# KiCad board WS2812B LED Ring7.kicad_pcb (continued)
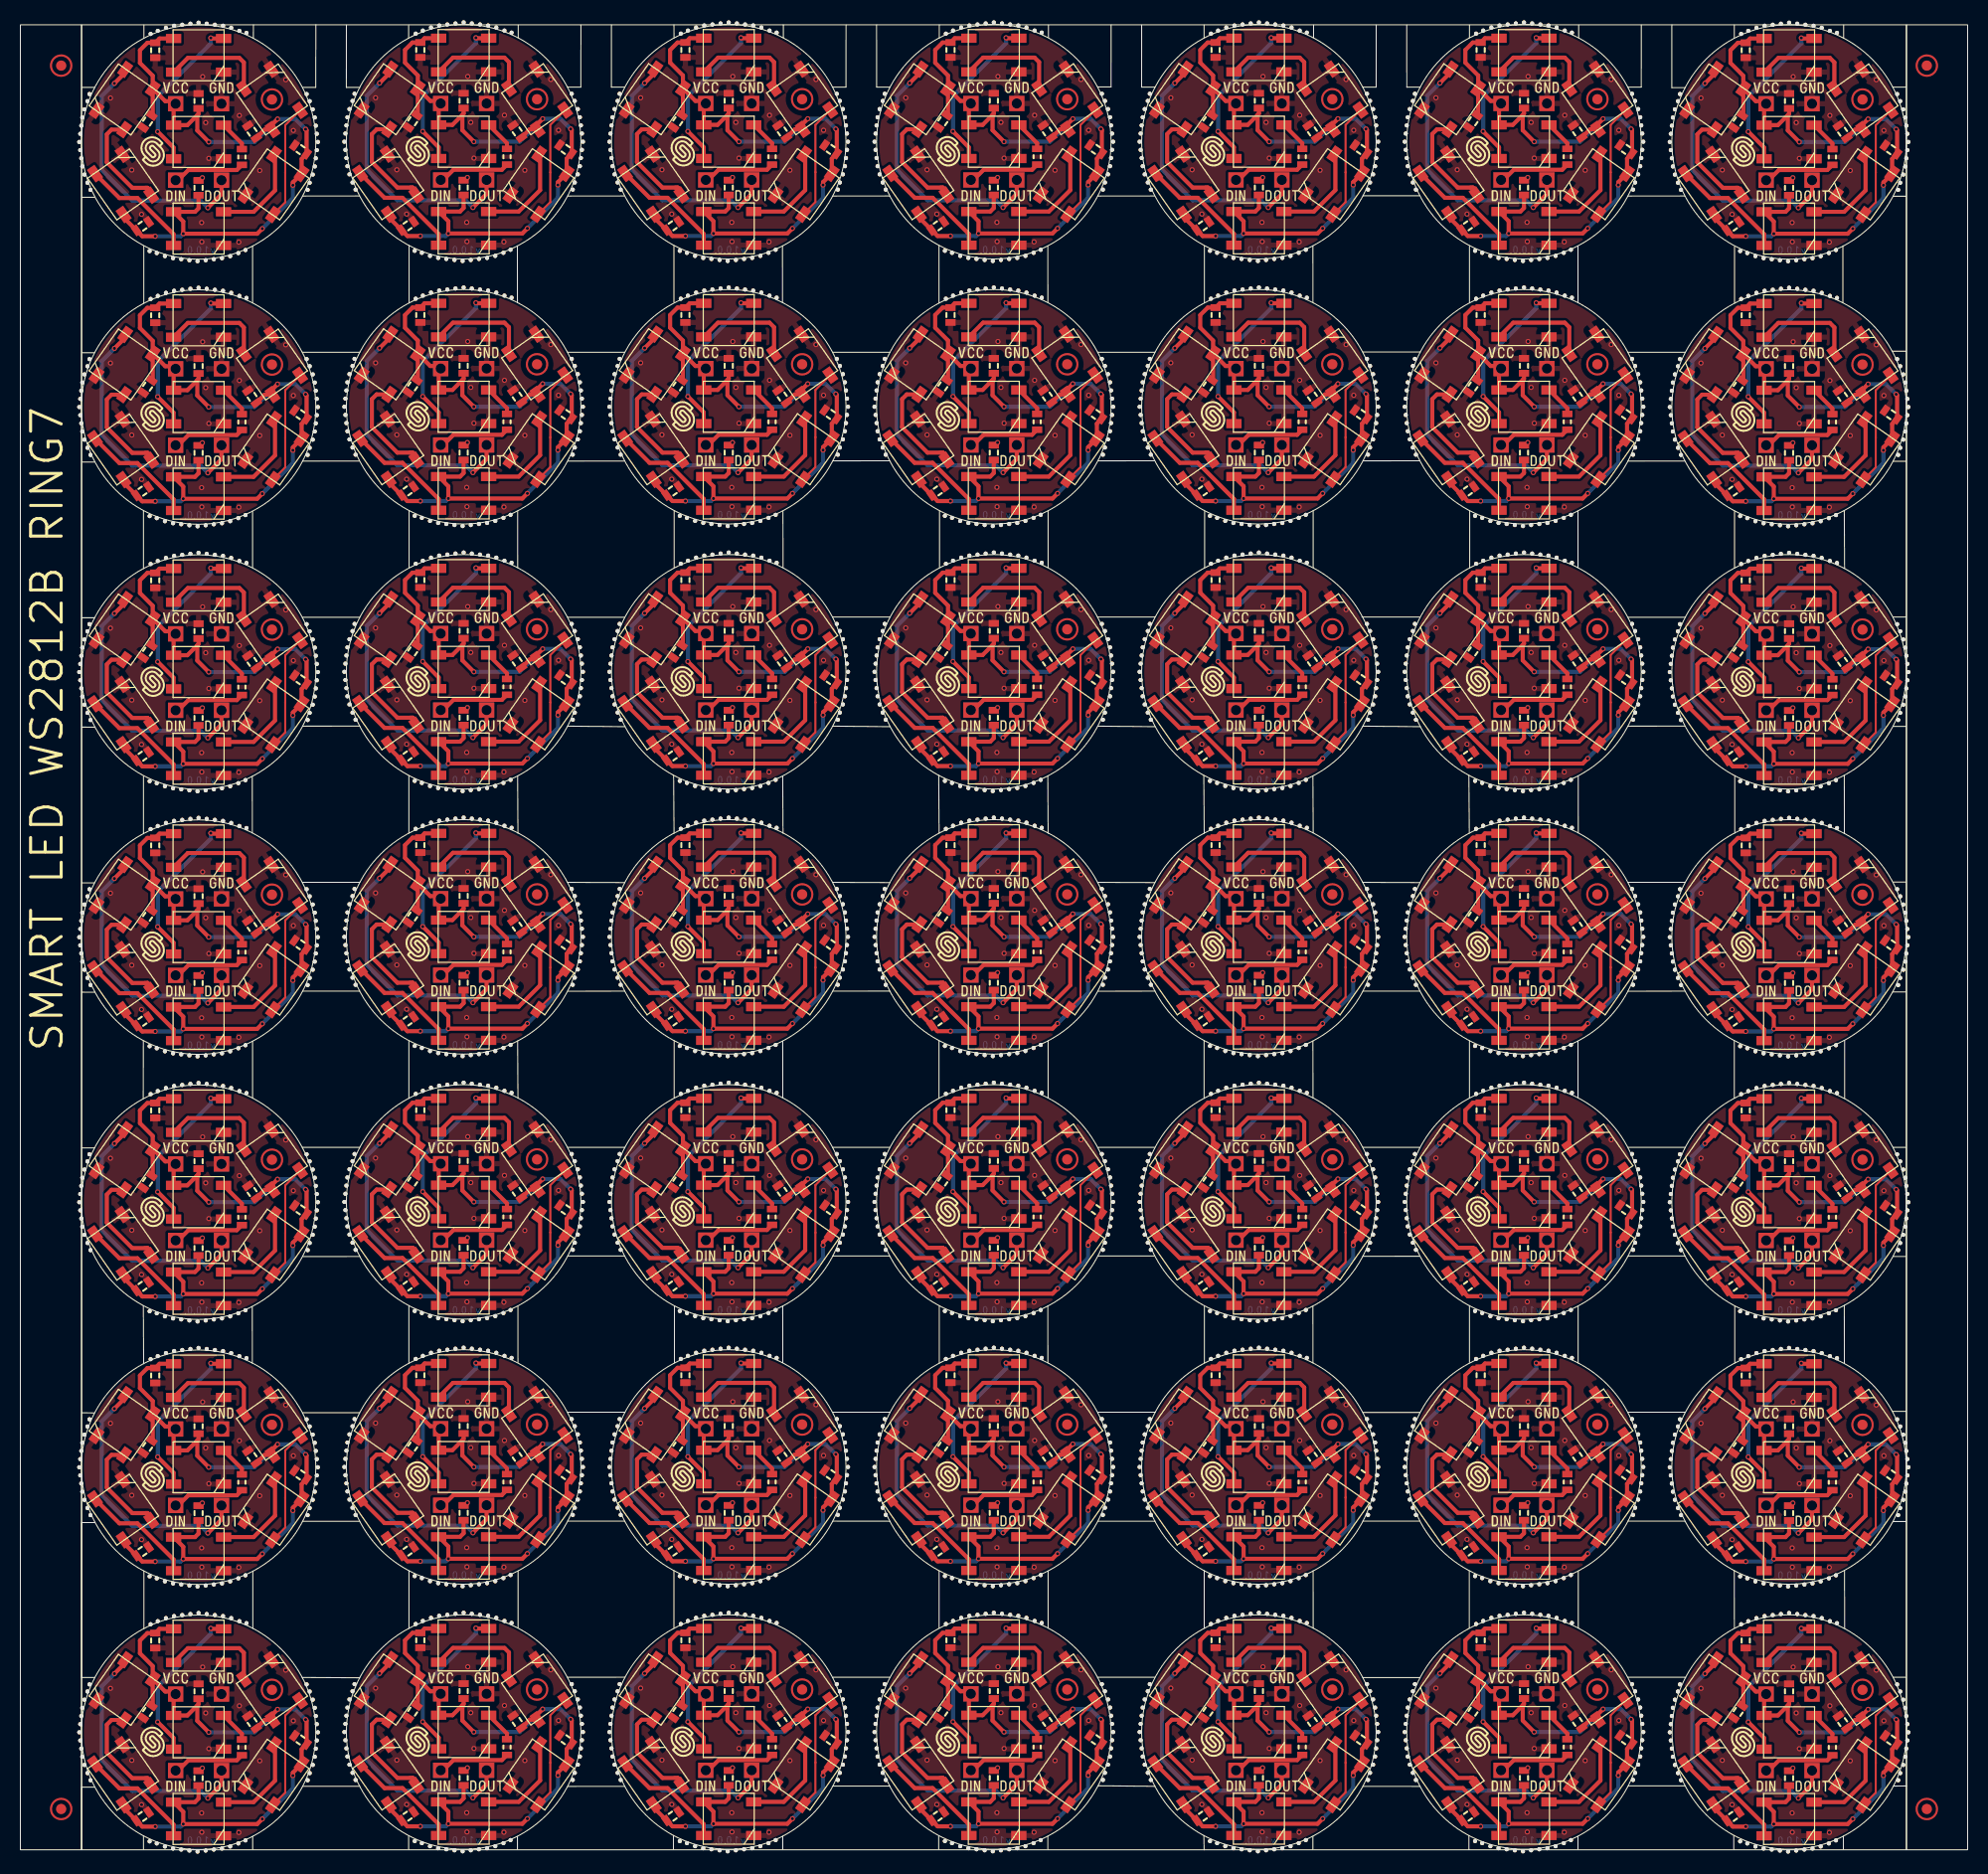
[diagram p0: board, top side]
## Routing (per net, layer and track width the routed paths; a pad name or vN(x,y) marks a point on that pad's centre or on a via; arc(x,y) is an arc through that point) (continued)
  Bottom w0.4: v1(15.97,28.53) 15.72,28.28 v1(13.22,28.28) ; v1(183.97,64.78) 182.97,65.78 v1(181.22,65.78) 178.97,63.53 v1(174.47,63.53) ; v1(153.72,29.06) 156.72,32.06 v1(156.72,33.31) ; v1(169.22,106.28) 171.72,106.28 v1(171.97,106.53) ; v1(157.97,90.81) 156.97,91.81 v1(155.22,91.81) 152.97,89.56 v1(148.47,89.56) ; v1(104.72,7.31) 104.72,6.06 v1(101.72,3.06) ; v1(179.72,81.03) 182.72,84.03 v1(182.72,85.28) ; v1(127.72,55.06) 130.72,58.06 v1(130.72,59.31) ; v1(23.72,133.03) 26.72,136.03 v1(26.72,137.28) ; v1(65.22,54.31) 67.72,54.31 v1(67.97,54.56) ; v1(156.72,137.31) 156.72,136.06 v1(153.72,133.06) ; v1(26.72,33.28) 26.72,32.03 v1(23.72,29.03) ; v1(171.97,54.53) 171.72,54.28 v1(169.22,54.28) ; v1(52.72,163.31) 52.72,162.06 v1(49.72,159.06) ; v1(79.97,64.81) 78.97,65.81 v1(77.22,65.81) 74.97,63.56 v1(70.47,63.56) ; v1(44.47,63.56) 48.97,63.56 v1(51.22,65.81) 52.97,65.81 v1(53.97,64.81) ; v1(145.97,28.56) 145.72,28.31 v1(143.22,28.31) ; v1(156.72,111.31) 156.72,110.06 v1(153.72,107.06) ; v1(179.72,3.03) 182.72,6.03 v1(182.72,7.28) ; v1(145.97,106.56) 145.72,106.31 v1(143.22,106.31) ; v1(183.97,142.78) 182.97,143.78 v1(181.22,143.78) 178.97,141.53 v1(174.47,141.53) ; v1(65.22,106.31) 67.72,106.31 v1(67.97,106.56) ; v1(52.72,137.31) 52.72,136.06 v1(49.72,133.06) ; v1(67.97,28.56) 67.72,28.31 v1(65.22,28.31) ; v1(78.72,137.31) 78.72,136.06 v1(75.72,133.06) ; v1(157.97,168.81) 156.97,169.81 v1(155.22,169.81) 152.97,167.56 v1(148.47,167.56) ; v1(96.47,11.56) 100.97,11.56 v1(103.22,13.81) 104.97,13.81 v1(105.97,12.81) ; v1(23.72,3.03) 26.72,6.03 v1(26.72,7.28) ; v1(130.72,85.31) 130.72,84.06 v1(127.72,81.06) ; v1(119.97,132.56) 119.72,132.31 v1(117.22,132.31) ; v1(93.97,106.56) 93.72,106.31 v1(91.22,106.31) ; v1(93.97,132.56) 93.72,132.31 v1(91.22,132.31) ; v1(44.47,11.56) 48.97,11.56 v1(51.22,13.81) 52.97,13.81 v1(53.97,12.81) ; v1(143.22,54.31) 145.72,54.31 v1(145.97,54.56) ; v1(119.97,28.56) 119.72,28.31 v1(117.22,28.31) ; v1(13.22,2.28) 15.72,2.28 v1(15.97,2.53) ; v1(26.72,59.28) 26.72,58.03 v1(23.72,55.03) ; v1(91.22,2.31) 93.72,2.31 v1(93.97,2.56) ; v1(15.97,132.53) 15.72,132.28 v1(13.22,132.28) ; v1(44.47,115.56) 48.97,115.56 v1(51.22,117.81) 52.97,117.81 v1(53.97,116.81) ; v1(157.97,64.81) 156.97,65.81 v1(155.22,65.81) 152.97,63.56 v1(148.47,63.56) ; v1(131.97,12.81) 130.97,13.81 v1(129.22,13.81) 126.97,11.56 v1(122.47,11.56) ; v1(23.72,159.03) 26.72,162.03 v1(26.72,163.28) ; v1(65.22,132.31) 67.72,132.31 v1(67.97,132.56) ; v1(156.72,163.31) 156.72,162.06 v1(153.72,159.06) ; v1(143.22,2.31) 145.72,2.31 v1(145.97,2.56) ; v1(153.72,81.06) 156.72,84.06 v1(156.72,85.31) ; v1(105.97,64.81) 104.97,65.81 v1(103.22,65.81) 100.97,63.56 v1(96.47,63.56) ; v1(93.97,28.56) 93.72,28.31 v1(91.22,28.31) ; v1(131.97,142.81) 130.97,143.81 v1(129.22,143.81) 126.97,141.56 v1(122.47,141.56) ; v1(122.47,115.56) 126.97,115.56 v1(129.22,117.81) 130.97,117.81 v1(131.97,116.81) ; v1(182.72,137.28) 182.72,136.03 v1(179.72,133.03) ; v1(39.22,132.31) 41.72,132.31 v1(41.97,132.56) ; v1(145.97,80.56) 145.72,80.31 v1(143.22,80.31) ; v1(122.47,167.56) 126.97,167.56 v1(129.22,169.81) 130.97,169.81 v1(131.97,168.81) ; v1(27.97,64.78) 26.97,65.78 v1(25.22,65.78) 22.97,63.53 v1(18.47,63.53) ; v1(70.47,37.56) 74.97,37.56 v1(77.22,39.81) 78.97,39.81 v1(79.97,38.81) ; v1(182.72,33.28) 182.72,32.03 v1(179.72,29.03) ; v1(53.97,142.81) 52.97,143.81 v1(51.22,143.81) 48.97,141.56 v1(44.47,141.56) ; v1(127.72,133.06) 130.72,136.06 v1(130.72,137.31) ; v1(169.22,28.28) 171.72,28.28 v1(171.97,28.53) ; v1(75.72,3.06) 78.72,6.06 v1(78.72,7.31) ; v1(104.72,85.31) 104.72,84.06 v1(101.72,81.06) ; v1(49.72,29.06) 52.72,32.06 v1(52.72,33.31) ; v1(41.97,106.56) 41.72,106.31 v1(39.22,106.31) ; v1(26.72,85.28) 26.72,84.03 v1(23.72,81.03) ; v1(131.97,38.81) 130.97,39.81 v1(129.22,39.81) 126.97,37.56 v1(122.47,37.56) ; v1(105.97,142.81) 104.97,143.81 v1(103.22,143.81) 100.97,141.56 v1(96.47,141.56) ; v1(41.97,80.56) 41.72,80.31 v1(39.22,80.31) ; v1(101.72,159.06) 104.72,162.06 v1(104.72,163.31) ; v1(44.47,167.56) 48.97,167.56 v1(51.22,169.81) 52.97,169.81 v1(53.97,168.81) ; v1(169.22,158.28) 171.72,158.28 v1(171.97,158.53) ; v1(117.22,54.31) 119.72,54.31 v1(119.97,54.56) ; v1(104.72,33.31) 104.72,32.06 v1(101.72,29.06) ; v1(148.47,115.56) 152.97,115.56 v1(155.22,117.81) 156.97,117.81 v1(157.97,116.81) ; v1(75.72,29.06) 78.72,32.06 v1(78.72,33.31) ; v1(130.72,163.31) 130.72,162.06 v1(127.72,159.06) ; v1(18.47,11.53) 22.97,11.53 v1(25.22,13.78) 26.97,13.78 v1(27.97,12.78) ; v1(65.22,158.31) 67.72,158.31 v1(67.97,158.56) ; v1(79.97,116.81) 78.97,117.81 v1(77.22,117.81) 74.97,115.56 v1(70.47,115.56) ; v1(130.72,33.31) 130.72,32.06 v1(127.72,29.06) ; v1(153.72,55.06) 156.72,58.06 v1(156.72,59.31) ; v1(39.22,28.31) 41.72,28.31 v1(41.97,28.56) ; v1(174.47,115.53) 178.97,115.53 v1(181.22,117.78) 182.97,117.78 v1(183.97,116.78) ; v1(79.97,90.81) 78.97,91.81 v1(77.22,91.81) 74.97,89.56 v1(70.47,89.56) ; v1(18.47,141.53) 22.97,141.53 v1(25.22,143.78) 26.97,143.78 v1(27.97,142.78) ; v1(75.72,159.06) 78.72,162.06 v1(78.72,163.31) ; v1(15.97,54.53) 15.72,54.28 v1(13.22,54.28) ; v1(174.47,167.53) 178.97,167.53 v1(181.22,169.78) 182.97,169.78 v1(183.97,168.78) ; v1(105.97,116.81) 104.97,117.81 v1(103.22,117.81) 100.97,115.56 v1(96.47,115.56) ; v1(41.97,158.56) 41.72,158.31 v1(39.22,158.31) ; v1(52.72,111.31) 52.72,110.06 v1(49.72,107.06) ; v1(182.72,59.28) 182.72,58.03 v1(179.72,55.03) ; v1(93.97,80.56) 93.72,80.31 v1(91.22,80.31) ; v1(145.97,158.56) 145.72,158.31 v1(143.22,158.31) ; v1(117.22,106.31) 119.72,106.31 v1(119.97,106.56) ; v1(182.72,111.28) 182.72,110.03 v1(179.72,107.03) ; v1(183.97,90.78) 182.97,91.78 v1(181.22,91.78) 178.97,89.53 v1(174.47,89.53) ; v1(174.47,11.53) 178.97,11.53 v1(181.22,13.78) 182.97,13.78 v1(183.97,12.78) ; v1(78.72,59.31) 78.72,58.06 v1(75.72,55.06) ; v1(117.22,158.31) 119.72,158.31 v1(119.97,158.56) ; v1(75.72,107.06) 78.72,110.06 v1(78.72,111.31) ; v1(44.47,89.56) 48.97,89.56 v1(51.22,91.81) 52.97,91.81 v1(53.97,90.81) ; v1(122.47,89.56) 126.97,89.56 v1(129.22,91.81) 130.97,91.81 v1(131.97,90.81) ; v1(131.97,64.81) 130.97,65.81 v1(129.22,65.81) 126.97,63.56 v1(122.47,63.56) ; v1(117.22,80.31) 119.72,80.31 v1(119.97,80.56) ; v1(27.97,90.78) 26.97,91.78 v1(25.22,91.78) 22.97,89.53 v1(18.47,89.53) ; v1(105.97,168.81) 104.97,169.81 v1(103.22,169.81) 100.97,167.56 v1(96.47,167.56) ; v1(26.72,111.28) 26.72,110.03 v1(23.72,107.03) ; v1(148.47,11.56) 152.97,11.56 v1(155.22,13.81) 156.97,13.81 v1(157.97,12.81) ; v1(70.47,141.56) 74.97,141.56 v1(77.22,143.81) 78.97,143.81 v1(79.97,142.81) ; v1(105.97,90.81) 104.97,91.81 v1(103.22,91.81) 100.97,89.56 v1(96.47,89.56) ; v1(41.97,54.56) 41.72,54.31 v1(39.22,54.31) ; v1(75.72,81.06) 78.72,84.06 v1(78.72,85.31) ; v1(39.22,2.31) 41.72,2.31 v1(41.97,2.56) ; v1(52.72,59.31) 52.72,58.06 v1(49.72,55.06) ; v1(105.97,38.81) 104.97,39.81 v1(103.22,39.81) 100.97,37.56 v1(96.47,37.56) ; v1(127.72,3.06) 130.72,6.06 v1(130.72,7.31) ; v1(79.97,12.81) 78.97,13.81 v1(77.22,13.81) 74.97,11.56 v1(70.47,11.56) ; v1(49.72,81.06) 52.72,84.06 v1(52.72,85.31) ; v1(13.22,106.28) 15.72,106.28 v1(15.97,106.53) ; v1(171.97,80.53) 171.72,80.28 v1(169.22,80.28) ; v1(79.97,168.81) 78.97,169.81 v1(77.22,169.81) 74.97,167.56 v1(70.47,167.56) ; v1(171.97,132.53) 171.72,132.28 v1(169.22,132.28) ; v1(13.22,80.28) 15.72,80.28 v1(15.97,80.53) ; v1(179.72,159.03) 182.72,162.03 v1(182.72,163.28) ; v1(18.47,167.53) 22.97,167.53 v1(25.22,169.78) 26.97,169.78 v1(27.97,168.78) ; v1(52.72,7.31) 52.72,6.06 v1(49.72,3.06) ; v1(143.22,132.31) 145.72,132.31 v1(145.97,132.56) ; v1(156.72,7.31) 156.72,6.06 v1(153.72,3.06) ; v1(101.72,133.06) 104.72,136.06 v1(104.72,137.31) ; v1(130.72,111.31) 130.72,110.06 v1(127.72,107.06) ; v1(44.47,37.56) 48.97,37.56 v1(51.22,39.81) 52.97,39.81 v1(53.97,38.81) ; v1(13.22,158.28) 15.72,158.28 v1(15.97,158.53) ; v1(101.72,55.06) 104.72,58.06 v1(104.72,59.31) ; v1(183.97,38.78) 182.97,39.78 v1(181.22,39.78) 178.97,37.53 v1(174.47,37.53) ; v1(117.22,2.31) 119.72,2.31 v1(119.97,2.56) ; v1(101.72,107.06) 104.72,110.06 v1(104.72,111.31) ; v1(18.47,37.53) 22.97,37.53 v1(25.22,39.78) 26.97,39.78 v1(27.97,38.78) ; v1(148.47,37.56) 152.97,37.56 v1(155.22,39.81) 156.97,39.81 v1(157.97,38.81) ; v1(93.97,54.56) 93.72,54.31 v1(91.22,54.31) ; v1(171.97,2.53) 171.72,2.28 v1(169.22,2.28) ; v1(67.97,2.56) 67.72,2.31 v1(65.22,2.31) ; v1(91.22,158.31) 93.72,158.31 v1(93.97,158.56) ; v1(65.22,80.31) 67.72,80.31 v1(67.97,80.56) ; v1(148.47,141.56) 152.97,141.56 v1(155.22,143.81) 156.97,143.81 v1(157.97,142.81) ; v1(27.97,116.78) 26.97,117.78 v1(25.22,117.78) 22.97,115.53 v1(18.47,115.53)
  vias: v2(15.22,171.28) v2(15.22,145.28) v2(15.22,119.28) v2(15.22,93.28) v2(15.22,67.28) v2(15.22,41.28) v2(15.22,15.28) v2(41.22,171.31) v2(41.22,145.31) v2(41.22,119.31) v2(41.22,93.31) v2(41.22,67.31) v2(41.22,41.31) v2(41.22,15.31) v2(67.22,171.31) v2(67.22,145.31) v2(67.22,119.31) v2(67.22,93.31) v2(67.22,67.31) v2(67.22,41.31) v2(67.22,15.31) v2(93.22,171.31) v2(93.22,145.31) v2(93.22,119.31) v2(93.22,93.31) v2(93.22,67.31) v2(93.22,41.31) v2(93.22,15.31) v2(119.22,171.31) v2(119.22,145.31) v2(119.22,119.31) v2(119.22,93.31) v2(119.22,67.31) v2(119.22,41.31) v2(119.22,15.31) v2(145.22,171.31) v2(145.22,145.31) v2(145.22,119.31) v2(145.22,93.31) v2(145.22,67.31) v2(145.22,41.31) v2(145.22,15.31) v2(171.22,171.28) v2(171.22,145.28) v2(171.22,119.28) v2(171.22,93.28) v2(171.22,67.28) v2(171.22,41.28) v2(171.22,15.28)
Net-(LED1-Pad2): length 780.3
  Top w0.4: v1(148.68,21.76) 148.72,21.71 LED2#37.4 ; LED2#36.4 122.72,21.71 v1(122.68,21.76) ; LED1#34.2 41.03,141.01 v1(39.47,142.57) ; LED1#41.2 41.03,167.01 v1(39.47,168.57) ; LED2#49.4 96.72,21.71 v1(96.68,21.76) ; v1(70.68,47.76) 70.72,47.71 LED2#12.4 ; v1(44.67,125.76) 44.72,125.71 LED2#5.4 ; v1(65.47,64.57) 67.03,63.01 LED1#49.2 ; LED2#18.4 18.72,99.69 v1(18.67,99.73) ; LED2#29.4 18.72,21.69 v1(18.67,21.73) ; v1(169.47,90.54) 171.03,88.98 LED1#43.2 ; v1(44.67,99.76) 44.72,99.71 LED2#42.4 ; v1(39.47,12.57) 41.03,11.01 LED1#40.2 ; LED1#33.2 145.03,89.01 v1(143.47,90.57) ; LED2#17.4 70.72,99.71 v1(70.68,99.76) ; v1(148.68,151.76) 148.72,151.71 LED2#6.4 ; LED2#2.4 18.72,177.69 v1(18.67,177.73) ; v1(174.68,99.73) 174.72,99.69 LED2#25.4 ; v1(39.47,90.57) 41.03,89.01 LED1#18.2 ; v1(18.67,125.73) 18.72,125.69 LED2#44.4 ; v1(91.47,38.57) 93.03,37.01 LED1#6.2 ; LED2#3.4 122.72,177.71 v1(122.68,177.76) ; LED2#27.4 174.72,125.69 v1(174.68,125.73) ; v1(13.47,116.54) 15.03,114.98 LED1#27.2 ; v1(13.47,12.54) 15.03,10.98 LED1#38.2 ; LED1#19.2 119.03,63.01 v1(117.47,64.57) ; LED2#38.4 174.72,21.69 v1(174.68,21.73) ; LED1#7.2 67.03,89.01 v1(65.47,90.57) ; v1(96.68,177.76) 96.72,177.71 LED2#10.4 ; LED2#43.4 174.72,177.69 v1(174.68,177.73) ; v1(148.68,99.76) 148.72,99.71 LED2#34.4 ; v1(143.47,38.57) 145.03,37.01 LED1#46.2 ; LED1#31.2 171.03,140.98 v1(169.47,142.54) ; LED2#20.4 70.72,125.71 v1(70.68,125.76) ; LED2#16.4 174.72,73.69 v1(174.68,73.73) ; LED1#11.2 145.03,63.01 v1(143.47,64.57) ; LED1#37.2 145.03,11.01 v1(143.47,12.57) ; v1(117.47,38.57) 119.03,37.01 LED1#2.2 ; LED1#44.2 93.03,141.01 v1(91.47,142.57) ; LED2#8.4 44.72,47.71 v1(44.67,47.76) ; v1(44.67,73.76) 44.72,73.71 LED2#15.4 ; LED2#4.4 174.72,151.69 v1(174.68,151.73) ; LED1#5.2 119.03,89.01 v1(117.47,90.57) ; LED2#45.4 96.72,47.71 v1(96.68,47.76) ; LED2#32.4 44.72,151.71 v1(44.67,151.76) ; LED1#35.2 145.03,115.01 v1(143.47,116.57) ; v1(148.68,47.76) 148.72,47.71 LED2#40.4 ; LED2#24.4 148.72,125.71 v1(148.68,125.76) ; v1(65.47,12.57) 67.03,11.01 LED1.2 ; v1(13.47,64.54) 15.03,62.98 LED1#12.2 ; LED1#16.2 41.03,115.01 v1(39.47,116.57) ; LED1#17.2 171.03,62.98 v1(169.47,64.54) ; v1(96.68,73.76) 96.72,73.71 LED2#39.4 ; LED2#26.4 122.72,151.71 v1(122.68,151.76) ; v1(122.68,47.76) 122.72,47.71 LED2#13.4 ; LED1#21.2 67.03,115.01 v1(65.47,116.57) ; v1(143.47,168.57) 145.03,167.01 LED1#3.2 ; LED1#22.2 119.03,115.01 v1(117.47,116.57) ; v1(70.68,21.76) 70.72,21.71 LED2#23.4 ; LED1#20.2 15.03,140.98 v1(13.47,142.54) ; LED2#35.4 122.72,73.71 v1(122.68,73.76) ; LED1#42.2 15.03,36.98 v1(13.47,38.54) ; LED2.4 44.72,21.71 v1(44.67,21.76) ; LED2#30.4 44.72,177.71 v1(44.67,177.76) ; LED1#47.2 67.03,167.01 v1(65.47,168.57) ; v1(96.68,99.76) 96.72,99.71 LED2#48.4 ; LED1#26.2 67.03,37.01 v1(65.47,38.57) ; LED1#15.2 93.03,63.01 v1(91.47,64.57) ; v1(91.47,90.57) 93.03,89.01 LED1#13.2 ; v1(13.47,90.54) 15.03,88.98 LED1#28.2 ; LED1#8.2 93.03,167.01 v1(91.47,168.57) ; v1(91.47,116.57) 93.03,115.01 LED1#4.2 ; LED1#48.2 171.03,114.98 v1(169.47,116.54) ; LED2#28.4 70.72,151.71 v1(70.68,151.76) ; v1(70.68,73.76) 70.72,73.71 LED2#46.4 ; v1(39.47,38.57) 41.03,37.01 LED1#39.2 ; v1(143.47,142.57) 145.03,141.01 LED1#30.2 ; LED1#36.2 93.03,11.01 v1(91.47,12.57) ; LED2#47.4 122.72,99.71 v1(122.68,99.76) ; LED1#14.2 171.03,166.98 v1(169.47,168.54) ; LED2#7.4 174.72,47.69 v1(174.68,47.73) ; v1(122.68,125.76) 122.72,125.71 LED2#21.4 ; LED1#23.2 119.03,167.01 v1(117.47,168.57) ; v1(39.47,64.57) 41.03,63.01 LED1#32.2 ; LED2#22.4 96.72,125.71 v1(96.68,125.76) ; LED1#29.2 119.03,11.01 v1(117.47,12.57) ; v1(117.47,142.57) 119.03,141.01 LED1#25.2 ; v1(148.68,177.76) 148.72,177.71 LED2#19.4 ; LED2#11.4 18.72,73.69 v1(18.67,73.73) ; v1(70.68,177.76) 70.72,177.71 LED2#9.4 ; v1(18.67,47.73) 18.72,47.69 LED2#33.4 ; v1(13.47,168.54) 15.03,166.98 LED1#24.2 ; v1(169.47,38.54) 171.03,36.98 LED1#10.2 ; LED1#9.2 67.03,141.01 v1(65.47,142.57) ; v1(148.68,73.76) 148.72,73.71 LED2#31.4 ; v1(18.67,151.73) 18.72,151.69 LED2#41.4 ; LED1#45.2 171.03,10.98 v1(169.47,12.54) ; v1(96.68,151.76) 96.72,151.71 LED2#14.4
  Bottom w0.4: v1(117.47,142.57) 117.47,142.58 117.47,146.03 122.68,151.23 v1(122.68,151.76) ; v1(65.47,64.57) 65.47,64.58 65.47,68.03 70.68,73.23 v1(70.68,73.76) ; v1(39.47,64.57) 39.47,64.58 39.47,68.03 44.67,73.23 v1(44.67,73.76) ; v1(39.47,142.57) 39.47,142.58 39.47,146.03 44.67,151.23 v1(44.67,151.76) ; v1(96.68,99.76) 96.68,99.23 91.47,94.03 91.47,90.58 v1(91.47,90.57) ; v1(169.47,90.54) 169.47,90.55 169.47,94 174.68,99.2 v1(174.68,99.73) ; v1(143.47,168.57) 143.47,168.58 143.47,172.03 148.68,177.23 v1(148.68,177.76) ; v1(70.68,177.76) 70.68,177.23 65.47,172.03 65.47,168.58 v1(65.47,168.57) ; v1(174.68,73.73) 174.68,73.2 169.47,68 169.47,64.55 v1(169.47,64.54) ; v1(13.47,64.54) 13.47,64.55 13.47,68 18.67,73.2 v1(18.67,73.73) ; v1(70.68,125.76) 70.68,125.23 65.47,120.03 65.47,116.58 v1(65.47,116.57) ; v1(44.67,21.76) 44.67,21.23 39.47,16.03 39.47,12.58 v1(39.47,12.57) ; v1(44.67,47.76) 44.67,47.23 39.47,42.03 39.47,38.58 v1(39.47,38.57) ; v1(169.47,142.54) 169.47,142.56 169.47,146 174.68,151.2 v1(174.68,151.73) ; v1(13.47,168.54) 13.47,168.56 13.47,172 18.67,177.2 v1(18.67,177.73) ; v1(169.47,116.54) 169.47,116.55 169.47,120 174.68,125.2 v1(174.68,125.73) ; v1(39.47,168.57) 39.47,168.58 39.47,172.03 44.67,177.23 v1(44.67,177.76) ; v1(122.68,73.76) 122.68,73.23 117.47,68.03 117.47,64.58 v1(117.47,64.57) ; v1(91.47,12.57) 91.47,12.58 91.47,16.03 96.68,21.23 v1(96.68,21.76) ; v1(91.47,116.57) 91.47,116.58 91.47,120.03 96.68,125.23 v1(96.68,125.76) ; v1(122.68,177.76) 122.68,177.23 117.47,172.03 117.47,168.58 v1(117.47,168.57) ; v1(143.47,12.57) 143.47,12.58 143.47,16.03 148.68,21.23 v1(148.68,21.76) ; v1(18.67,99.73) 18.67,99.2 13.47,94 13.47,90.55 v1(13.47,90.54) ; v1(18.67,125.73) 18.67,125.2 13.47,120 13.47,116.55 v1(13.47,116.54) ; v1(13.47,12.54) 13.47,12.55 13.47,16 18.67,21.2 v1(18.67,21.73) ; v1(70.68,47.76) 70.68,47.23 65.47,42.03 65.47,38.58 v1(65.47,38.57) ; v1(148.68,151.76) 148.68,151.23 143.47,146.03 143.47,142.58 v1(143.47,142.57) ; v1(70.68,99.76) 70.68,99.23 65.47,94.03 65.47,90.58 v1(65.47,90.57) ; v1(91.47,142.57) 91.47,142.58 91.47,146.03 96.68,151.23 v1(96.68,151.76) ; v1(174.68,177.73) 174.68,177.2 169.47,172 169.47,168.56 v1(169.47,168.54) ; v1(39.47,116.57) 39.47,116.58 39.47,120.03 44.67,125.23 v1(44.67,125.76) ; v1(169.47,38.54) 169.47,38.55 169.47,42 174.68,47.2 v1(174.68,47.73) ; v1(18.67,47.73) 18.67,47.2 13.47,42 13.47,38.55 v1(13.47,38.54) ; v1(65.47,142.57) 65.47,142.58 65.47,146.03 70.68,151.23 v1(70.68,151.76) ; v1(91.47,38.57) 91.47,38.58 91.47,42.03 96.68,47.23 v1(96.68,47.76) ; v1(39.47,90.57) 39.47,90.58 39.47,94.03 44.67,99.23 v1(44.67,99.76) ; v1(143.47,38.57) 143.47,38.58 143.47,42.03 148.68,47.23 v1(148.68,47.76) ; v1(122.68,47.76) 122.68,47.23 117.47,42.03 117.47,38.58 v1(117.47,38.57) ; v1(91.47,168.57) 91.47,168.58 91.47,172.03 96.68,177.23 v1(96.68,177.76) ; v1(91.47,64.57) 91.47,64.58 91.47,68.03 96.68,73.23 v1(96.68,73.76) ; v1(70.68,21.76) 70.68,21.23 65.47,16.03 65.47,12.58 v1(65.47,12.57) ; v1(18.67,151.73) 18.67,151.2 13.47,146 13.47,142.56 v1(13.47,142.54) ; v1(148.68,73.76) 148.68,73.23 143.47,68.03 143.47,64.58 v1(143.47,64.57) ; v1(117.47,90.57) 117.47,90.58 117.47,94.03 122.68,99.23 v1(122.68,99.76) ; v1(174.68,21.73) 174.68,21.2 169.47,16 169.47,12.55 v1(169.47,12.54) ; v1(148.68,99.76) 148.68,99.23 143.47,94.03 143.47,90.58 v1(143.47,90.57) ; v1(122.68,125.76) 122.68,125.23 117.47,120.03 117.47,116.58 v1(117.47,116.57) ; v1(122.68,21.76) 122.68,21.23 117.47,16.03 117.47,12.58 v1(117.47,12.57) ; v1(148.68,125.76) 148.68,125.23 143.47,120.03 143.47,116.58 v1(143.47,116.57)
Net-(LED1-Pad4): length 151.7
  Top w0.4: 177.72,88.83 177.72,89.38 LED1#43.4 ; R1#21.1 73.72,63.41 LED1#49.4 ; 177.72,62.83 177.72,63.38 LED1#17.4 ; LED1#35.4 151.72,115.41 R1#27.1 ; R1#30.1 99.72,63.41 LED1#15.4 ; R1#35.1 21.72,167.38 LED1#24.4 ; 21.72,88.83 21.72,89.38 LED1#28.4 ; R1#20.1 125.72,167.41 LED1#23.4 ; LED1#31.4 177.72,141.38 R1#43.1 ; LED1#19.4 125.72,63.41 R1#2.1 ; R1#6.1 73.72,89.41 LED1#7.4 ; R1#37.1 151.72,89.41 LED1#33.4 ; R1#46.1 151.72,63.41 LED1#11.4 ; LED1.4 73.72,11.41 R1#23.1 ; R1#25.1 151.72,37.41 LED1#46.4 ; LED1#48.4 177.72,115.38 177.72,114.83 ; R1#41.1 73.72,37.41 LED1#26.4 ; LED1#8.4 99.72,167.41 R1#47.1 ; 21.72,36.83 21.72,37.38 LED1#42.4 ; R1#33.1 99.72,115.41 LED1#4.4 ; 177.72,10.83 177.72,11.38 LED1#45.4 ; LED1#38.4 21.72,11.38 21.72,10.83 ; LED1#25.4 125.72,141.41 R1#8.1 ; R1#19.1 47.72,115.41 LED1#16.4 ; LED1#2.4 125.72,37.41 R1#14.1 ; LED1#29.4 125.72,11.41 R1#28.1 ; LED1#3.4 151.72,167.41 R1#38.1 ; 21.72,114.83 21.72,115.38 LED1#27.4 ; LED1#39.4 47.72,37.41 R1#4.1 ; R1.1 99.72,37.41 LED1#6.4 ; LED1#14.4 177.72,167.38 R1#45.1 ; R1#48.1 47.72,141.41 LED1#34.4 ; R1#40.1 99.72,141.41 LED1#44.4 ; LED1#12.4 21.72,63.38 21.72,62.83 ; LED1#21.4 73.72,115.41 R1#3.1 ; R1#26.1 73.72,141.41 LED1#9.4 ; LED1#36.4 99.72,11.41 R1#13.1 ; LED1#10.4 177.72,37.38 177.72,36.83 ; R1#24.1 151.72,11.41 LED1#37.4 ; LED1#18.4 47.72,89.41 R1#36.1 ; R1#18.1 47.72,11.41 LED1#40.4 ; R1#12.1 47.72,167.41 LED1#41.4 ; LED1#32.4 47.72,63.41 R1#9.1 ; LED1#5.4 125.72,89.41 R1#22.1 ; R1#29.1 99.72,89.41 LED1#13.4 ; LED1#20.4 21.72,141.38 R1#49.1 ; R1#16.1 125.72,115.41 LED1#22.4 ; R1#32.1 73.72,167.41 LED1#47.4 ; LED1#30.4 151.72,141.41 R1#42.1
Net-(LED2-Pad2): length 501.6
  Top w0.4: LED3.4 151.92,71.37 151.47,71.81 146.43,71.81 LED2#31.2 ; LED3#40.4 177.92,19.34 177.47,19.78 172.43,19.78 LED2#38.2 ; LED3#32.4 99.92,149.37 99.47,149.81 94.43,149.81 LED2#14.2 ; LED2#22.2 94.43,123.81 99.47,123.81 99.92,123.37 LED3#23.4 ; LED3#48.4 125.92,175.37 125.47,175.81 120.43,175.81 LED2#3.2 ; LED2#33.2 16.42,45.78 21.47,45.78 21.92,45.34 LED3#43.4 ; LED2#19.2 146.43,175.81 151.47,175.81 151.92,175.37 LED3#36.4 ; LED3#37.4 47.92,71.37 47.47,71.81 42.42,71.81 LED2#15.2 ; LED2#32.2 42.42,149.81 47.47,149.81 47.92,149.37 LED3#38.4 ; LED2#11.2 16.42,71.78 21.47,71.78 21.92,71.34 LED3#47.4 ; LED2#5.2 42.42,123.81 47.47,123.81 47.92,123.37 LED3#17.4 ; LED3#27.4 73.92,123.37 73.47,123.81 68.43,123.81 LED2#20.2 ; LED3#45.4 125.92,71.37 125.47,71.81 120.43,71.81 LED2#35.2 ; LED3#9.4 21.92,19.34 21.47,19.78 16.42,19.78 LED2#29.2 ; LED2#18.2 16.42,97.78 21.47,97.78 21.92,97.34 LED3#13.4 ; LED3#19.4 177.92,71.34 177.47,71.78 172.43,71.78 LED2#16.2 ; LED2#49.2 94.43,19.81 99.47,19.81 99.92,19.37 LED3#46.4 ; LED2#9.2 68.43,175.81 73.47,175.81 73.92,175.37 LED3#16.4 ; LED3#5.4 99.92,97.37 99.47,97.81 94.43,97.81 LED2#48.2 ; LED3#22.4 151.92,149.37 151.47,149.81 146.43,149.81 LED2#6.2 ; LED3#7.4 125.92,149.37 125.47,149.81 120.43,149.81 LED2#26.2 ; LED3#26.4 125.92,19.37 125.47,19.81 120.43,19.81 LED2#36.2 ; LED3#3.4 73.92,97.37 73.47,97.81 68.43,97.81 LED2#17.2 ; LED2#8.2 42.42,45.81 47.47,45.81 47.92,45.37 LED3#15.4 ; LED2#28.2 68.43,149.81 73.47,149.81 73.92,149.37 LED3#20.4 ; LED3#28.4 99.92,175.37 99.47,175.81 94.43,175.81 LED2#10.2 ; LED3#18.4 73.92,19.37 73.47,19.81 68.43,19.81 LED2#23.2 ; LED2#25.2 172.43,97.78 177.47,97.78 177.92,97.34 LED3#11.4 ; LED3#42.4 21.92,175.34 21.47,175.78 16.42,175.78 LED2#2.2 ; LED3#29.4 47.92,175.37 47.47,175.81 42.42,175.81 LED2#30.2 ; LED2#34.2 146.43,97.81 151.47,97.81 151.92,97.37 LED3#35.4 ; LED3#6.4 73.92,71.37 73.47,71.81 68.43,71.81 LED2#46.2 ; LED2#42.2 42.42,97.81 47.47,97.81 47.92,97.37 LED3#8.4 ; LED3#39.4 125.92,45.37 125.47,45.81 120.43,45.81 LED2#13.2 ; LED3#34.4 177.92,45.34 177.47,45.78 172.43,45.78 LED2#7.2 ; LED3#41.4 151.92,45.37 151.47,45.81 146.43,45.81 LED2#40.2 ; LED2.2 42.42,19.81 47.47,19.81 47.92,19.37 LED3#30.4 ; LED3#24.4 73.92,45.37 73.47,45.81 68.43,45.81 LED2#12.2 ; LED3#44.4 125.92,97.37 125.47,97.81 120.43,97.81 LED2#47.2 ; LED3#14.4 125.92,123.37 125.47,123.81 120.43,123.81 LED2#21.2 ; LED3#10.4 151.92,123.37 151.47,123.81 146.43,123.81 LED2#24.2 ; LED3#2.4 99.92,71.37 99.47,71.81 94.43,71.81 LED2#39.2 ; LED2#43.2 172.43,175.78 177.47,175.78 177.92,175.34 LED3#21.4 ; LED2#44.2 16.42,123.78 21.47,123.78 21.92,123.34 LED3#4.4 ; LED2#4.2 172.43,149.78 177.47,149.78 177.92,149.34 LED3#49.4 ; LED2#45.2 94.43,45.81 99.47,45.81 99.92,45.37 LED3#31.4 ; LED2#37.2 146.43,19.81 151.47,19.81 151.92,19.37 LED3#33.4 ; LED3#12.4 21.92,149.34 21.47,149.78 16.42,149.78 LED2#41.2 ; LED3#25.4 177.92,123.34 177.47,123.78 172.43,123.78 LED2#27.2
